# Altium PCB rf_modulator_source.PcbDoc (part 1 of 2) (continued)
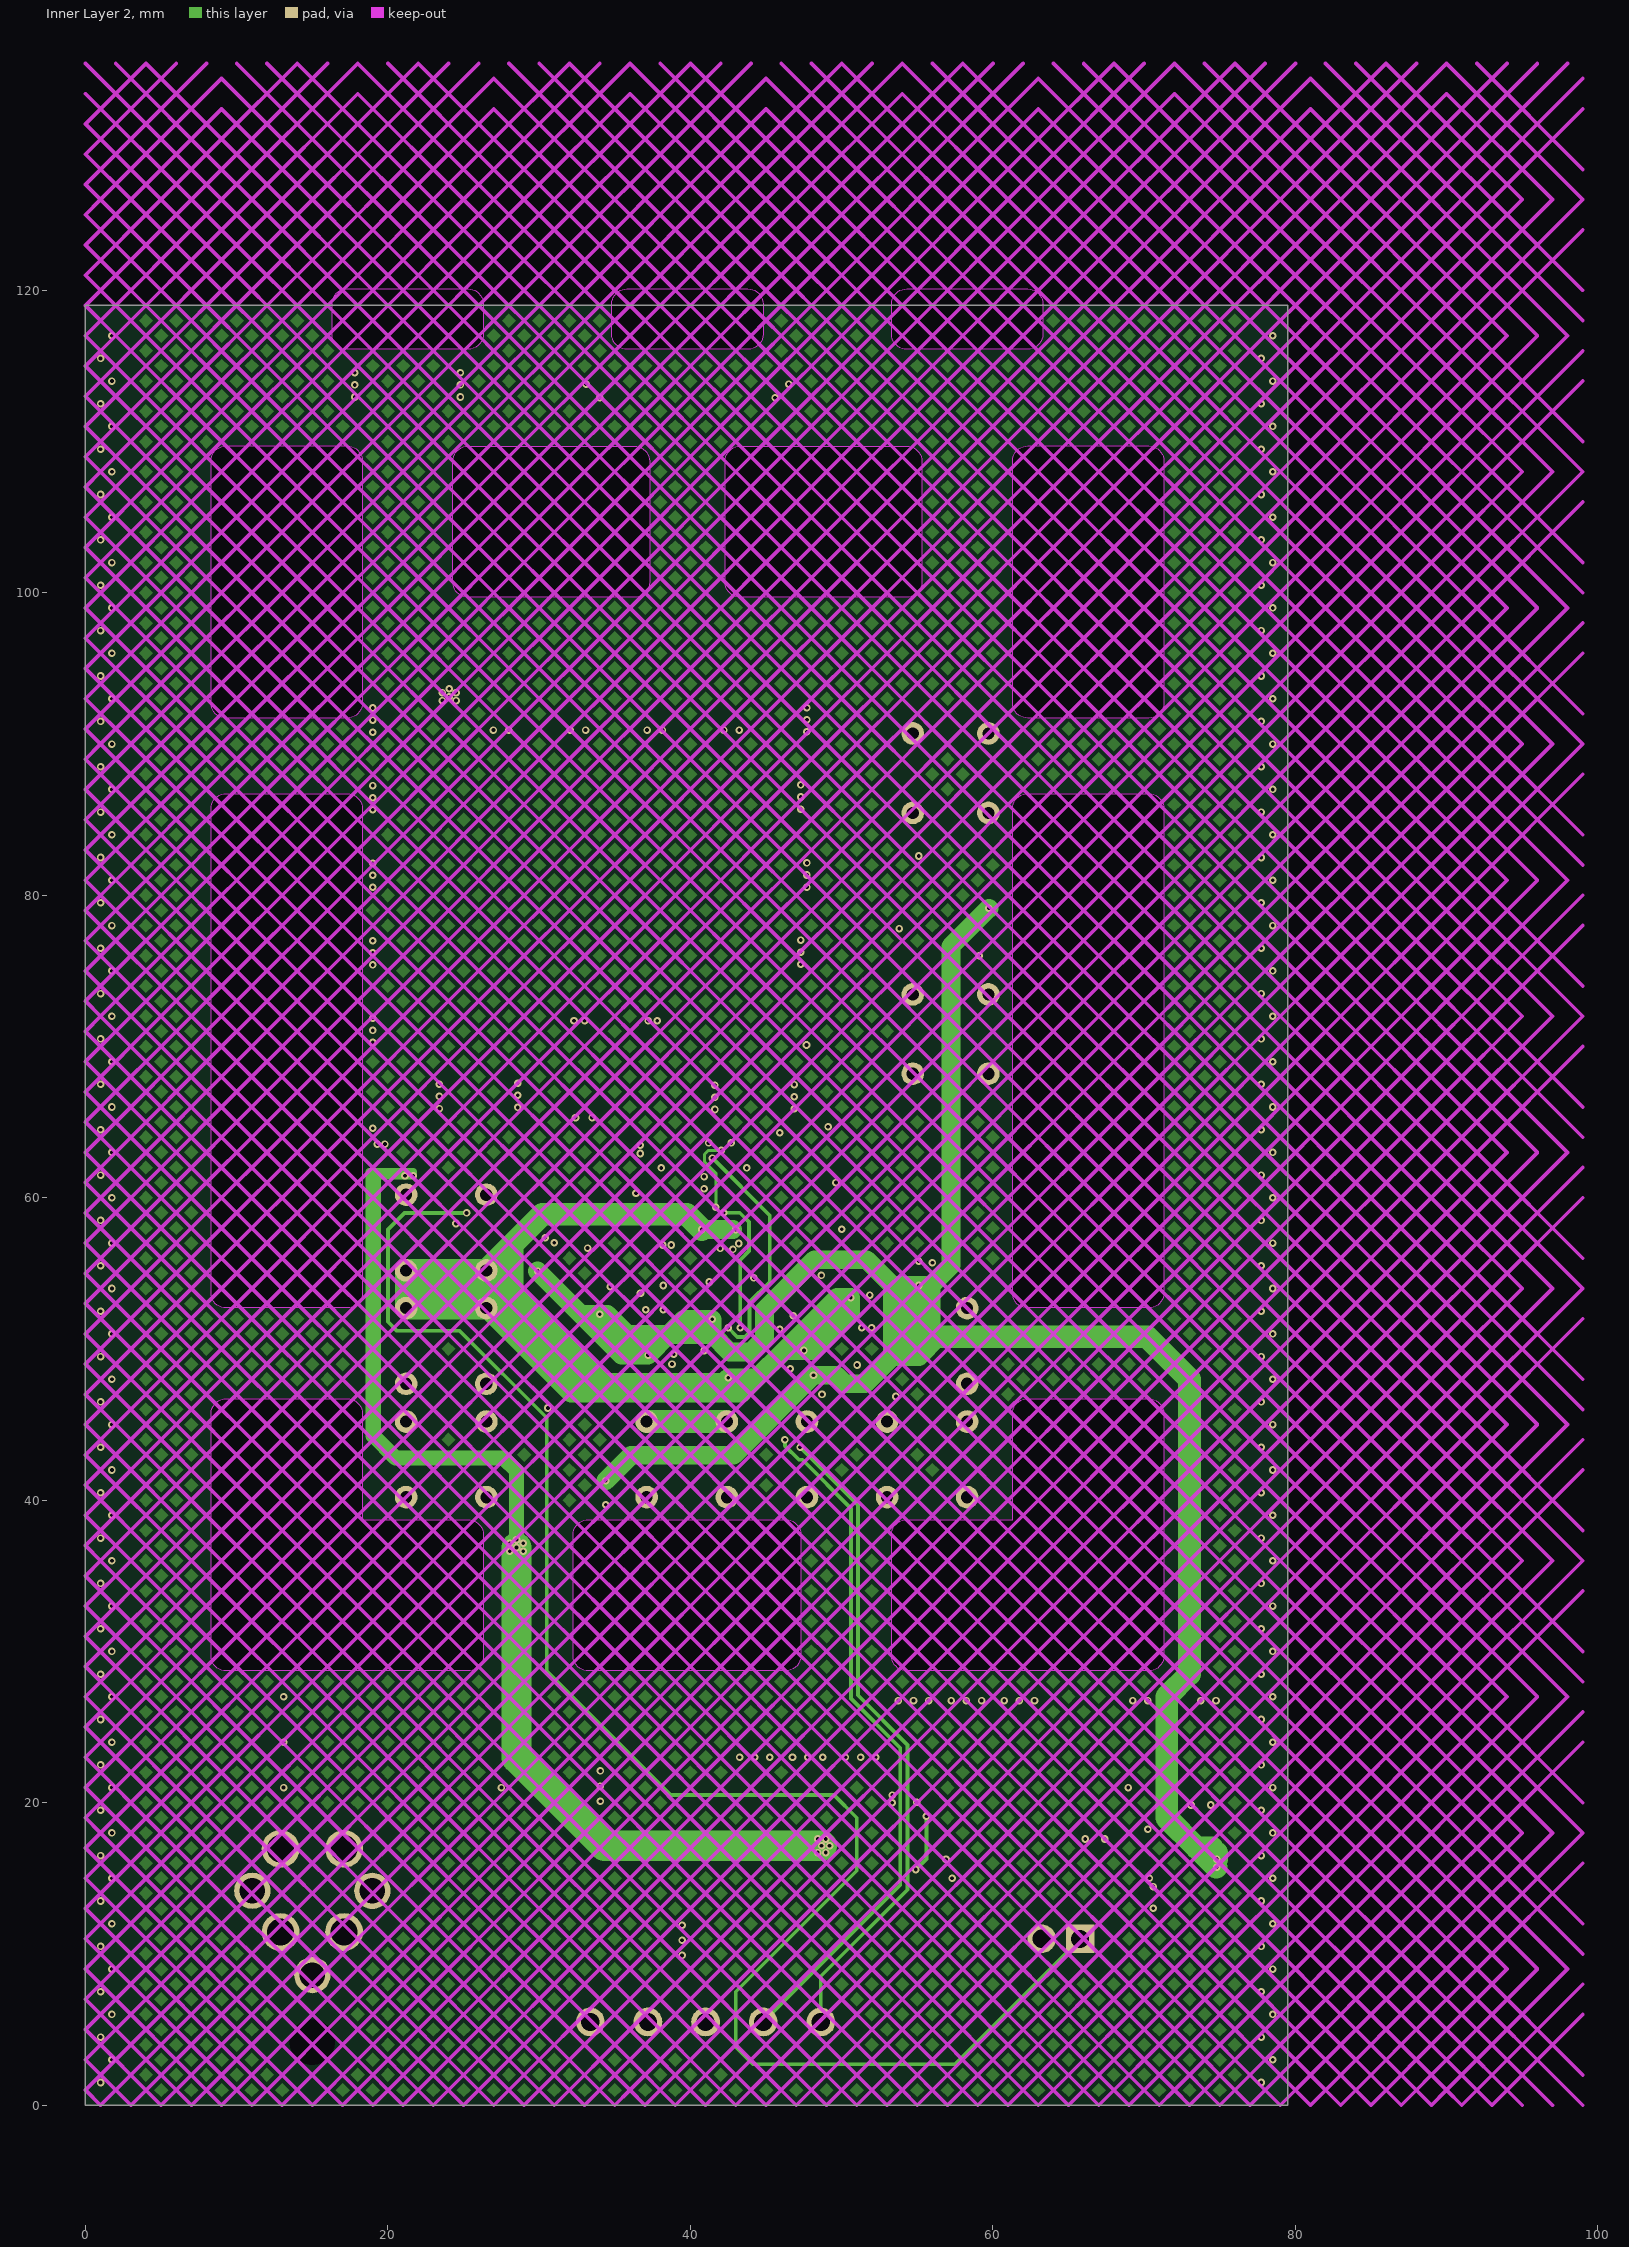
[diagram p3: Inner Layer 2]
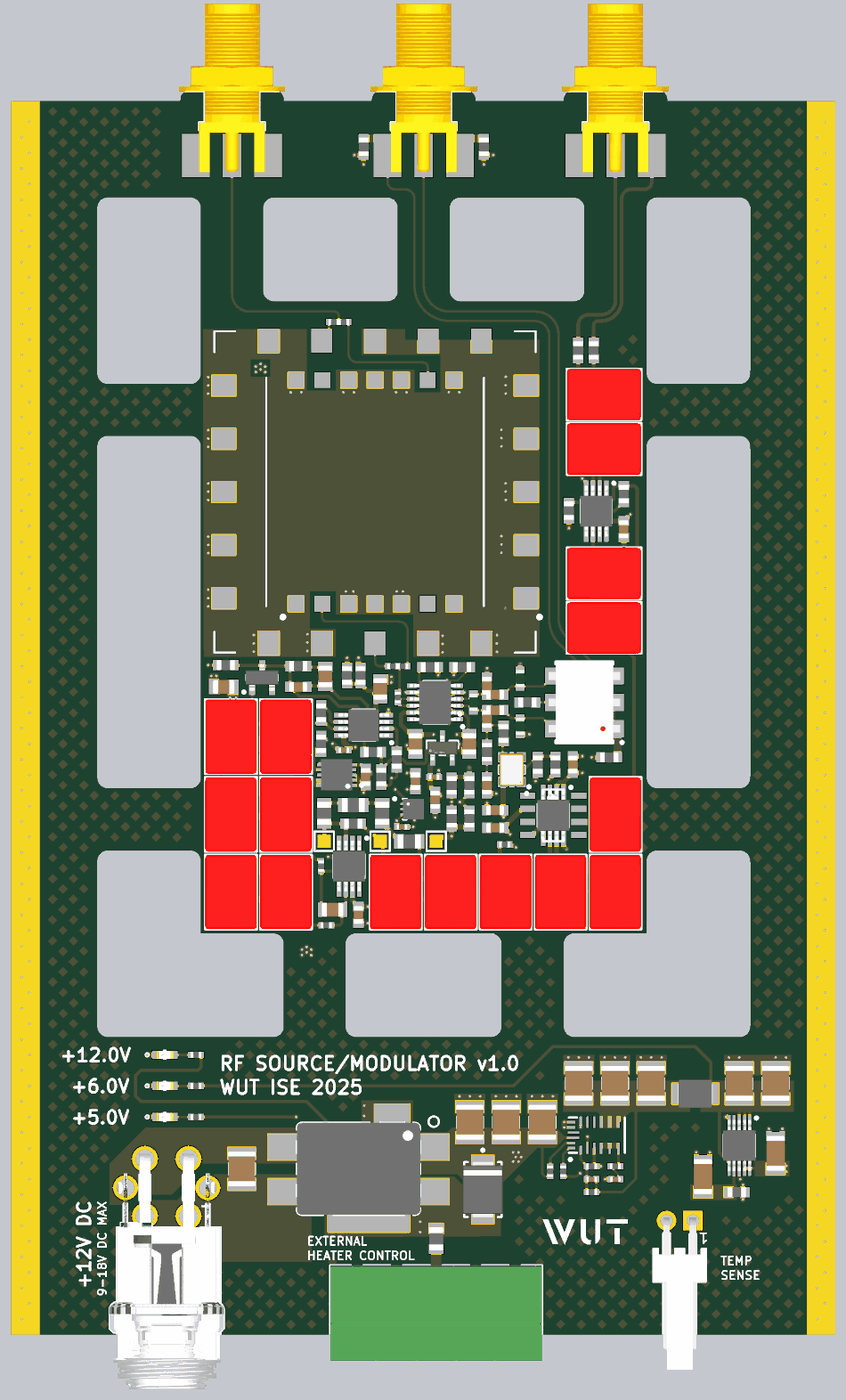
[diagram p5: 3D render of the assembled board from above, using the file's embedded part models]
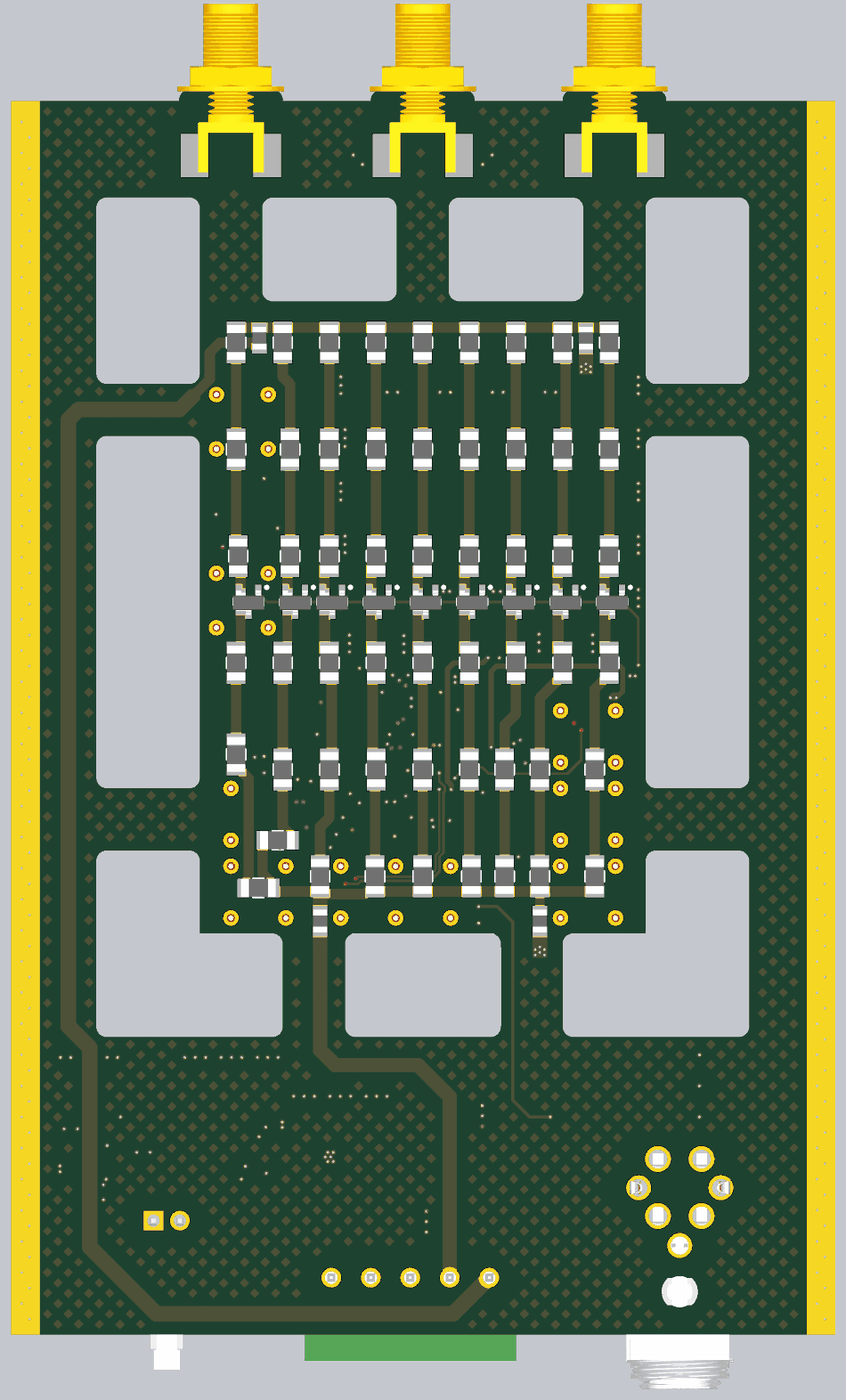
[diagram p6: 3D render of the assembled board from below, using the file's embedded part models]

## Layer stack, top to bottom
Top Solder: solder mask 0.0152, Solder Resist, Dk 3.8
Top Layer: signal copper 0.035
Dielectric 1: prepreg 0.138, PP-006, Dk 4.4
GND: signal copper 0.035
Core: dielectric 1.13, FR-4, Dk 4.6
Inner Layer 2: signal copper 0.035
Dielectric 3: prepreg 0.138, PP-006, Dk 4.4
Bottom Layer: signal copper 0.035
Bottom Solder: solder mask 0.0152, Solder Resist, Dk 3.8

## Board outline
0,0 0,119 79.5,119 79.5,0
cut-out: 8.3,92.715 8.3,108.715 cw(c9.3,108.715) 9.3,109.715 17.3,109.715 cw(c17.3,108.715) 18.3,108.715 18.3,92.715 cw(c17.3,92.715) 17.3,91.715 9.3,91.715 cw(c9.3,92.715)
cut-out: 8.3,53.715 8.3,85.715 cw(c9.3,85.715) 9.3,86.715 17.3,86.715 cw(c17.3,85.715) 18.3,85.715 18.3,53.715 cw(c17.3,53.715) 17.3,52.715 9.3,52.715 cw(c9.3,53.715)
cut-out: 61.3,53.715 61.3,85.715 cw(c62.3,85.715) 62.3,86.715 70.3,86.715 cw(c70.3,85.715) 71.3,85.715 71.3,53.715 cw(c70.3,53.715) 70.3,52.715 62.3,52.715 cw(c62.3,53.715)
cut-out: 53.3,29.715 53.3,37.715 cw(c54.3,37.715) 54.3,38.715 61.3,38.715 61.3,45.715 cw(c62.3,45.715) 62.3,46.715 70.3,46.715 cw(c70.3,45.715) 71.3,45.715 71.3,29.715 cw(c70.3,29.715) 70.298,28.715 64.298,28.715 54.3,28.715 cw(c54.3,29.715)
cut-out: 8.3,29.717 8.3,35.717 8.3,45.715 cw(c9.3,45.715) 9.3,46.715 17.3,46.715 cw(c17.3,45.715) 18.3,45.715 18.3,38.715 25.3,38.715 cw(c25.3,37.715) 26.3,37.715 26.3,29.715 cw(c25.3,29.715) 25.3,28.715 9.3,28.715 cw(c9.3,29.715)
cut-out: 53.3,117.1 53.3,119.1 cw(c54.3,119.1) 54.3,120.1 62.3,120.1 cw(c62.3,119.1) 63.301,119.1 63.301,117.1 cw(c62.3,117.1) 62.3,116.1 54.3,116.1 cw(c54.3,117.1)
cut-out: 34.8,117.1 34.8,119.1 cw(c35.8,119.1) 35.8,120.1 43.8,120.1 cw(c43.8,119.1) 44.8,119.1 44.8,117.1 cw(c43.8,117.1) 43.8,116.1 35.8,116.1 cw(c35.8,117.1)
cut-out: 43.3,99.7 cw(c43.3,100.7) 42.3,100.7 42.3,108.7 cw(c43.3,108.7) 43.3,109.7 54.3,109.7 cw(c54.3,108.7) 55.3,108.7 55.3,100.7 cw(c54.3,100.7) 54.3,99.7
cut-out: 25.3,99.7 cw(c25.3,100.7) 24.3,100.7 24.3,108.7 cw(c25.3,108.7) 25.3,109.7 36.3,109.7 cw(c36.3,108.7) 37.3,108.7 37.3,100.7 cw(c36.3,100.7) 36.3,99.7
cut-out: 61.3,92.715 61.3,108.715 cw(c62.3,108.715) 62.3,109.715 70.3,109.715 cw(c70.3,108.715) 71.3,108.715 71.3,92.715 cw(c70.3,92.715) 70.3,91.715 62.3,91.715 cw(c62.3,92.715)
cut-out: 33.275,28.715 cw(c33.25,29.715) 32.25,29.715 32.25,37.715 cw(c33.25,37.715) 33.275,38.715 33.3,38.715 46.3,38.715 cw(c46.3,37.715) 47.3,37.715 47.3,29.715 cw(c46.3,29.715) 46.3,28.715
cut-out: 16.3,117.1 16.3,119.1 cw(c17.3,119.1) 17.3,120.1 25.3,120.1 cw(c25.3,119.1) 26.301,119.1 26.301,117.1 cw(c25.3,117.1) 25.3,116.1 17.3,116.1 cw(c17.3,117.1)

## Design rules (kind name [scope] priority, off if disabled: settings)
AcuteAngle [All] p1: minimum=4.50000000000000E+0001 checktracksonly=TRUE
BoardOutlineClearance [not OnTopSilkscreen and not OnBottomSilkscreen] p1: gap=0.2 ignorepadtopadclearanceinfootprint=FALSE
Clearance Clearance_balancing [InNamedPolygon('balancing')] p1: gap=0.21 ignorepadtopadclearanceinfootprint=FALSE except(0.25: Arc-Fill Arc-Poly Arc-Region Track-Fill Track-Poly Track-Region; 0.5: Via-Fill Via-Poly Via-Region; 1.5: SMDPad-Fill SMDPad-Poly SMDPad-Region THPad-Fill THPad-Poly THPad-Region)
Clearance Clearance_ViaInPadThermal [IsPad and InNet('GND') vs IsVia] p2: gap=0 ignorepadtopadclearanceinfootprint=FALSE except(-1: SMDPad-Via THPad-Via)
Clearance Clearance_ViaInPad [IsPad vs IsVia] p3: gap=0 ignorepadtopadclearanceinfootprint=FALSE except(-1: SMDPad-Via)
Clearance Clearance_DiffPairs [(InDifferentialPairClass('All Differential Pairs'))] p4: gap=0.127 ignorepadtopadclearanceinfootprint=FALSE except(0.12: Arc-Arc Arc-Track Track-Track; 0.25: Arc-Hole Track-Hole SMDPad-Hole THPad-Hole Via-Hole Fill-Hole Poly-Hole Region-Hole Text-Hole; 0.5: Arc-Fill Arc-Poly Arc-Region Track-Fill Track-Poly Track-Region)
Clearance [All] p5: gap=0.127 ignorepadtopadclearanceinfootprint=FALSE except(0.12: Arc-Arc Arc-Track Track-Track; 0.25: Arc-Hole Track-Hole SMDPad-Hole THPad-Hole Via-Hole Fill-Hole Poly-Hole Region-Hole Text-Hole)
ComponentClearance [All] p1: gap=-0.254 collisioncheckmode=3 verticalgap=-0.254 showdistances=FALSE
DiffPairsRouting DiffPairsRouting_ETH [InDifferentialPairClass('ETH')] p1: maxlimit=0.254 minlimit=0.15 mostfreqgap=0.254 toplayer_mingap=0.18 toplayer_maxgap=0.18 toplayer_prefgap=0.18 toplayer_minwidth=0.19 toplayer_maxwidth=0.19 toplayer_prefwidth=0.19 bottomlayer_mingap=0.18 bottomlayer_maxgap=0.18 bottomlayer_prefgap=0.18 bottomlayer_minwidth=0.19 bottomlayer_maxwidth=0.19 bottomlayer_prefwidth=0.19 impedanceprofiledriven=TRUE impedanceprofileid={9262DCC5-21B2-42F0-AE62-9C07079FD9D1} impedanceprofilevalue=100.000000 maxuncoupledlength=12.7
DiffPairsRouting DiffPairsRouting_USB [InDifferentialPairClass('USB')] p2: maxlimit=0.254 minlimit=0.12 mostfreqgap=0.254 toplayer_mingap=0.165 toplayer_maxgap=0.165 toplayer_prefgap=0.165 toplayer_minwidth=0.23 toplayer_maxwidth=0.23 toplayer_prefwidth=0.23 bottomlayer_mingap=0.165 bottomlayer_maxgap=0.165 bottomlayer_prefgap=0.165 bottomlayer_minwidth=0.23 bottomlayer_maxwidth=0.23 bottomlayer_prefwidth=0.23 impedanceprofiledriven=TRUE impedanceprofileid={8D4277C8-22E8-44B8-81B9-C39E21E3F32A} impedanceprofilevalue=90.000000 maxuncoupledlength=12.7
DiffPairsRouting [All] p3: maxlimit=0.102 minlimit=0.102 mostfreqgap=0.102 toplayer_minwidth=0.102 toplayer_maxwidth=1816.048 toplayer_prefwidth=0.102 midlayer1_minwidth=0.102 midlayer1_maxwidth=1816.048 midlayer1_prefwidth=0.102 midlayer2_minwidth=0.102 midlayer2_maxwidth=1816.048 midlayer2_prefwidth=0.102 bottomlayer_minwidth=0.102 bottomlayer_maxwidth=1816.048 bottomlayer_prefwidth=0.102 maxuncoupledlength=12.7
Height [All] p1: minheight=0 maxheight=1816.048 prefheight=12.7
HoleSize [All] p1: absolutevalues=TRUE maxlimit=6.3 minlimit=0.2 maxpercent=80.000 minpercent=20.000
HoleToHoleClearance [All] p1: gap=0.25 allowstackedmicrovias=FALSE
MinimumAnnularRing [All] p1: minimumring=0.076
MinimumSolderMaskSliver [All] p1: minsoldermaskwidth=0
PlaneClearance [All] p1: clearance=0.102
PlaneConnect PlaneConnectPowerPads [InPadClass('PowerPads')] p1: planeconnectstyle=Direct reliefexpansion=0.508 reliefentries=4 reliefconductorwidth=0.254 reliefairgap=0.254
PlaneConnect [All] p2: pad.planeconnectstyle=Relief pad.reliefexpansion=0.3 pad.reliefentries=4 pad.reliefconductorwidth=0.102 pad.reliefairgap=0.102 via.planeconnectstyle=Direct via.reliefexpansion=0.3 via.reliefentries=4 via.reliefconductorwidth=0.127 via.reliefairgap=0.127
PolygonConnect PolygonConnectPowerPads [All vs (InPadClass('PowerPads'))] p1: connectstyle=Direct reliefconductorwidth=0.254 reliefentries=4 polygonreliefangle="90 Angle" airgapwidth=0.254
PolygonConnect [All] p2: thpad.connectstyle=Relief thpad.reliefconductorwidth=0.102 thpad.reliefentries=4 thpad.polygonreliefangle="90 Angle" thpad.airgapwidth=0.102 smdpad.connectstyle=Direct smdpad.reliefconductorwidth=0.102 smdpad.reliefentries=4 smdpad.polygonreliefangle="90 Angle" smdpad.airgapwidth=0.102 via.connectstyle=Direct via.reliefconductorwidth=0.127 via.reliefentries=4 via.polygonreliefangle="90 Angle" via.airgapwidth=0.127
RoutingVias [All] p1: holewidth=0.25 width=0.5 viastyle="Through Hole" minholewidth=0.25 minwidth=0.5 maxholewidth=6.3 maxwidth=6.55
SilkToSilkClearance [All] p1: silktosilkclearance=0
SilkToSolderMaskClearance [IsPad] p1: minsilkscreentomaskgap=0 clearancetoexposedcopper=TRUE
SolderMaskExpansion [IsVia] p1: expansion=0.075 istentingtop=TRUE
SolderMaskExpansion SolderMaskExpansion_Via [All] p2: expansion=0.075 istentingtop=FALSE
Width Width_50Ohm [InNetClass('50Ohm')] p1: maxlimit=0.8 minlimit=0.158 preferedwidth=0.223 toplayer_minwidth=0.22 midlayer1_maxwidth=0.158 midlayer1_prefwidth=0.158 midlayer2_maxwidth=0.158 midlayer2_prefwidth=0.158 bottomlayer_minwidth=0.223 bottomlayer_maxwidth=0.223 impedanceprofiledriven=TRUE impedanceprofileid={C64F5E7C-CE06-457E-BCBC-4A79E0F1B97B} impedanceprofilevalue=50.000000 minimp=50.000000 maximp=50.000000 favimp=50.000000
Width [All] p2: maxlimit=1816.048 minlimit=0.152 preferedwidth=0.254
20 further rules are at their usual default settings.

## Classes and differential pairs
net class PWR: P12V0
net class 50Ohm: NetC21_1 NetFLT1_9 NetFLT1_18 NetFLT2_2 NetFLT2_9 NetIC1_9 RF_FLT_IN RF_FLT_OUT RF_IN RF_IN_G RF_MOD_IN+ RF_MOD_IN−
component class rf_modulator_source_top: C1 C2 C3 C4 C5 C6 C7 C8 C9 C10 C11 C12 C13 C14 C15 C16 C17 C19 C21 C22 C23 C29 C30 C31 C32 C33 C34 C35 C36 C37 C38 C39 C40 C41 C42 C43 C44 C45 C46 C47 C48 C49 C50 D1 FL1 FLT1 FLT2 IC1 IC2 IC4 IC5 IC7 IC8 IC9 IC10 IC11 J1 J2 J3 J6 J7 L1 LD1 LD2 LD3 OSC1 R1 R2 R3 R4 R5 R6 R7 R8 R9 R10 R11 R12 R13 R14 R15 R16 R19 R32 R64 R74 R84 R97 R99 R100 R101 R102 R103 R104 R105 R106 R107 R108 R109 R110 R111 R112 R113 R114 R115 R116 R117 R118 R119 R120 TP2 TP3 TP4 TR1
component class rf_modulator_source_temp_regulator: C18 C20 C24 C25 C26 C27 C28 C51 D2 IC3 IC6 IC12 J4 J5 R17 R18 R20 R21 R22 R23 R24 R25 R26 R27 R28 R29 R30 R31 R33 R34 R35 R36 R37 R38 R39 R40 R41 R42 R43 R44 R45 R46 R47 R48 R49 R50 R51 R52 R53 R54 R55 R56 R57 R58 R59 R60 R61 R62 R63 R65 R66 R67 R68 R69 R70 R71 R72 R73 R75 R76 R77 R78 R79 R80 R81 R82 R83 R85 R86 R87 R88 R89 R90 R91 R92 R93 R94 R95 R96 R98 RT1 SCREW1 SCREW2 SCREW3 SCREW4 T1 T2 T3 T4 T5 T6 T7 T8 T9

## Components (designator, comment, footprint, x,y, rotation, side; value= is the part's Value field where it differs from the comment)
C1 "100nF" CAPC1608X87N 46.7,60.25 r180 top
C2 "100nF" CAPC1608X87N 46.7,50.6 r0 top
C3 "100nF" CAPC1608X87N 46.7,61.75 r180 top
C4 "22uF" CAPC3225X140N 22.25,16 r90 top
C5 "22uF" CAPC3225X140N 44.25,20.5 r270 top
C6 "22uF" CAPC3225X140N 47.75,20.5 r270 top
C7 "100nF" CAPC1608X87N 45.9,53 r90 top
C8 "100nF" CAPC1608X87N 46.7,48.9 r0 top
C9 "100nF" CAPC1608X87N 33.5,40.5 r90 top
C10 "470pF" CAPC1005X55N 58.3,15 r180 top
C11 "22uF" CAPC3225X140N 51.25,20.5 r270 top
C12 "22uF" CAPC3225X140N 54.75,24.25 r270 top
C13 "22uF" CAPC3225X140N 58.25,24.25 r270 top
C14 "22uF" CAPC3225X140N 61.75,24.25 r270 top
C15 "22pF" CAPC1005X55N 56,15 r0 top
C16 "22uF" CAPC3225X140N 70.25,24.25 r270 top
C17 "4.7uF" CAPC3216X180N 73.75,17.5 r270 top
C18 "100pF" CAPC1608X87N 27.7,62.5 r180 top
C19 "4.7uF" CAPC3216X180N 66.75,15.25 r270 top
C20 "22uF" CAPC2012X135N 30.3,63.5 r90 top
C21 "100nF" CAPC1608X87N 45.9,59.4 r90 top
C22 "22uF" CAPC3225X140N 73.75,24.25 r270 top
C23 "100nF" CAPC1608X87N 45.9,62.6 r270 top
C24 "1uF" CAPC1608X87N 40.9,51.6 r90 top
C25 "100nF" CAPC1005X55N 40.8,53.8 r180 top
C26 "100nF" CAPC1005X55N 32.1,56.4 r0 top
C27 "10uF" CAPC2012X135N 20.5,62.5 r0 top
C28 "100nF" CAPC1005X55N 37.7,49 r180 top
C29 "47nF" CAPC2012X135N 39,57 r90 top
C30 "47nF" CAPC2012X135N 44.2,57 r90 top
C31 "100nF" CAPC1608X87N 34.2,53.8 r270 top
C32 "100nF" CAPC1608X87N 54.2,55 r270 top
C33 "3.3uF" CAPR500-500X720X1000 58.3,42.7 r90 top
C34 "3.3uF" CAPR500-500X720X1000 53.006,42.7 r90 top
C35 "3.3uF" CAPR500-500X720X1000 47.706,42.7 r90 top
C36 "3.3uF" CAPR500-500X720X1000 42.406,42.7 r90 top
C37 "3.3uF" CAPR500-500X720X1000 37.106,42.7 r90 top
C38 "3.3uF" CAPR500-500X720X1000 58.3,50.2 r270 top
C39 "3.3uF" CAPR500-500X720X1000 26.5,50.2 r90 top
C40 "3.3uF" CAPR500-500X720X1000 21.2,50.2 r90 top
C41 "3.3uF" CAPR500-500X720X1000 21.2,57.7 r270 top
C42 "3.3uF" CAPR500-500X720X1000 26.5,57.7 r270 top
C43 "3.3uF" CAPR500-500X720X1000 57.2,68.2 r180 top
C44 "47nF" CAPC2012X135N 31,41 r180 top
C45 "3.3uF" CAPR500-500X720X1000 57.2,73.45 r180 top
C46 "100nF" CAPC1608X87N 59.1,77.7 r90 top
C47 "3.3uF" CAPR500-500X720X1000 21.2,42.7 r90 top
C48 "3.3uF" CAPR500-500X720X1000 26.506,42.7 r90 top
C49 "3.3uF" CAPR500-500X720X1000 57.2,90.7 r180 top
C50 "3.3uF" CAPR500-500X720X1000 57.2,85.45 r180 top
C51 "47nF" CAPC2012X135N 35.6,62.3 r270 top
D1 "SMBJ12A" DIOM5336X265N 45.5,14 r270 top
D2 "BZX84C6V2" SOT95P248X115-3N 24.2,63.4 r90 top
FL1 "10A/50VDC" FIL_MURATA_BNX02 33.5,16 r0 top
FLT1 "BPF-E16+" HR1176 35.1,81.3 r90 top
FLT2 "BPF-C45+" HU1186 35.1,81.3 r0 top
IC1 "LTC6957IDD-3#PBF" SON45P300X300X80-13N-R175X248 40.9,61 r180 top
IC2 "MPM3630GQV-Z" MPM3610A 56.5,19.25 r90 top
IC3 "ADA4522-2ARMZ" SOP65P490X110-8N#1 34,58.8 r180 top
IC4 "LT3042EMSE#PBF" SOP50P490X110-11N-R168X198 70.25,18.25 r270 top
IC5 "LTC6957IMS-3#PBF" SOP65P490X110-12N 40.9,61 r180 top
IC6 "TMP235A2DBZR" FP-DBZ0003A-MFG 41.6,56.6 r90 top
IC7 "ADR4533BRZ" ADI-R-8_L 52.3,50.1 r0 top
IC8 "LT3045EDD#PBF" SON50P300X300X80-11N-R175X248 31.4,54 r180 top
IC9 "LTC6655BHMS8-3.3#PBF" SOP65P490X110-8N#2 52.3,50.1 r270 top
IC10 "ADA4528-1ARMZ" SOP65P490X110-8N#2 32.6,45.2 r270 top
IC11 "ADA4528-1ARMZ" SOP65P490X110-8N#2 56.45,79.45 r270 top
IC12 "LT6660KCDC-3.3" ANALOG-DEVICES_DC-4 38.8,50.7 r0 top
J1 "Mini-Fit Jr.™" MOLEX_39-30-0040 15,14.2 r180 top
J2 "SMA" MOLEX_73251-2121 21.3,113.75 r270 top
J3 "Jack" SWITCHCRAFT_712RA 15,8.6 r0 top
J4 "" PHOENIX_1803303 41,5.5 r0 top
J5 "KK®" MOLEX_22-05-7028 64.5,11 r180 top
J6 "SMA" MOLEX_73251-2121 39.8,113.75 r270 top
J7 "SMA" MOLEX_73251-2121 58.3,113.75 r270 top
L1 "1uH" INDM3225X210N 66,23.25 r0 top
LD1 "Green" LED_KINGBRIGHT_KPH-1608CGCK 14.825,21 r0 top
LD2 "Green" LED_KINGBRIGHT_KPH-1608CGCK 14.825,24 r0 top
LD3 "Green" LED_KINGBRIGHT_KPH-1608CGCK 14.825,27 r0 top
OSC1 "12-16MHz" OSC_TAITIEN_3.2X2.5X1.0 48.3,54.5 r180 top value=12-16Mhz
R1 "75" RESC1608X55N 47.5,58 r90 top
R2 "36R5" RESC1005X40N 37.3,61.475 r90 top
R3 "100" RESC1608X64N 45.9,56.2 r90 top
R4 "0" RESC1608X55N 49.8,61 r0 top
R5 "0" RESC1608X55N 50.8,55 r270 top
R6 "0" RESC1608X55N 40.4,64.4 r180 top
R7 "0" RESC1608X55N 43.5,64.4 r0 top
R8 "0" RESC1608X55N 52.5,55 r90 top
R9 "0" RESC1608X55N 44.2,49.8 r270 top
R10 "0" RESC1608X55N 42.5,49.8 r270 top
R11 "4R7" RESC1005X40N 58.28,16.25 r180 top
R12 "100k" RESC1005X40N 52,15.75 r270 top
R13 "0" RESC1608X55N 44.2,53 r270 top
R14 "0" RESC1608X55N 42.5,53 r270 top
R15 "10k" RESC1005X40N 53.25,15.75 r90 top
R16 "51k" RESC1005X40N 56,13.75 r0 top
R17 "0" RESC2012X60N 41,9.25 r90 top
R18 "1k" RESC1608X55N 29.9,60 r270 top
R19 "5k62" RESC1005X40N 56,16.25 r180 top
R20 "0" RESC2012X60N 28.5,39.9 r270 bottom
R21 "0" RESC2012X60N 49.7,39.9 r270 bottom
R22 "1k" RESC1608X55N 34.9,56.2 r180 top
R23 "43" RESC3216X65N 55.65,43.1 r180 bottom
R24 "43" RESC3216X65N 53.8,47.7 r0 bottom
R25 "43" RESC3216X65N 49.7,44.215 r270 bottom
R26 "43" RESC3216X65N 44.4,44.215 r270 bottom
R27 "43" RESC3216X65N 39.8,44.215 r270 bottom
R28 "43" RESC3216X65N 35.1,44.215 r270 bottom
R29 "43" RESC3216X65N 31.9,44.215 r270 bottom
R30 "43" RESC3216X65N 28.5,44.215 r270 bottom
R31 "43" RESC3216X65N 23.2,44.215 r270 bottom
R32 "49k9" RESC1608X55N 70,13.75 r180 top
R33 "43" RESC3216X65N 57.8,55.98 r270 bottom
R34 "43" RESC3216X65N 53.3,54.515 r270 bottom
R35 "43" RESC3216X65N 48.8,54.515 r270 bottom
R36 "43" RESC3216X65N 44.3,54.515 r270 bottom
R37 "43" RESC3216X65N 39.8,54.515 r270 bottom
R38 "43" RESC3216X65N 35.3,54.515 r270 bottom
R39 "43" RESC3216X65N 31.9,54.515 r270 bottom
R40 "43" RESC3216X65N 28.5,54.515 r270 bottom
R41 "43" RESC3216X65N 23.2,54.515 r270 bottom
R42 "10M" RESC1608X55N 27.7,64.5 r180 top
R43 "43" RESC3216X65N 57.8,64.815 r270 bottom
R44 "43" RESC3216X65N 53.3,64.815 r270 bottom
R45 "43" RESC3216X65N 48.8,64.815 r270 bottom
R46 "43" RESC3216X65N 44.3,64.815 r270 bottom
R47 "43" RESC3216X65N 39.8,64.815 r270 bottom
R48 "43" RESC3216X65N 35.3,64.815 r270 bottom
R49 "43" RESC3216X65N 30.8,64.815 r270 bottom
R50 "43" RESC3216X65N 26.3,64.815 r270 bottom
R51 "43" RESC3216X65N 21.8,64.815 r270 bottom
R52 "0" RESC1608X55N 57.35,70.7 r270 bottom
R53 "0" RESC1608X55N 52.85,70.7 r270 bottom
R54 "0" RESC1608X55N 49.275,70.7 r270 bottom
R55 "0" RESC1608X55N 44.775,70.7 r270 bottom
R56 "0" RESC1608X55N 40.275,70.7 r270 bottom
R57 "0" RESC1608X55N 35.775,70.7 r270 bottom
R58 "0" RESC1608X55N 31.275,70.7 r270 bottom
R59 "0" RESC1608X55N 26.775,70.7 r270 bottom
R60 "0" RESC1608X55N 22.275,70.7 r270 bottom
R61 "1k" RESC1608X55N 35.7,53.8 r270 top
R62 "100k" RESC1608X55N 37.2,55.5 r90 top
R63 "10k" RESC1608X55N 20.7,64.6 r180 top
R64 "0" RESC1608X55N 57.7,55.7 r0 top
R65 "43" RESC3216X65N 57.6,75.115 r270 bottom
R66 "43" RESC3216X65N 52.6,75.115 r270 bottom
R67 "43" RESC3216X65N 48.8,75.115 r270 bottom
R68 "43" RESC3216X65N 44.3,75.115 r270 bottom